# KiCad board 5wy19_converted.kicad_pcb (continued)
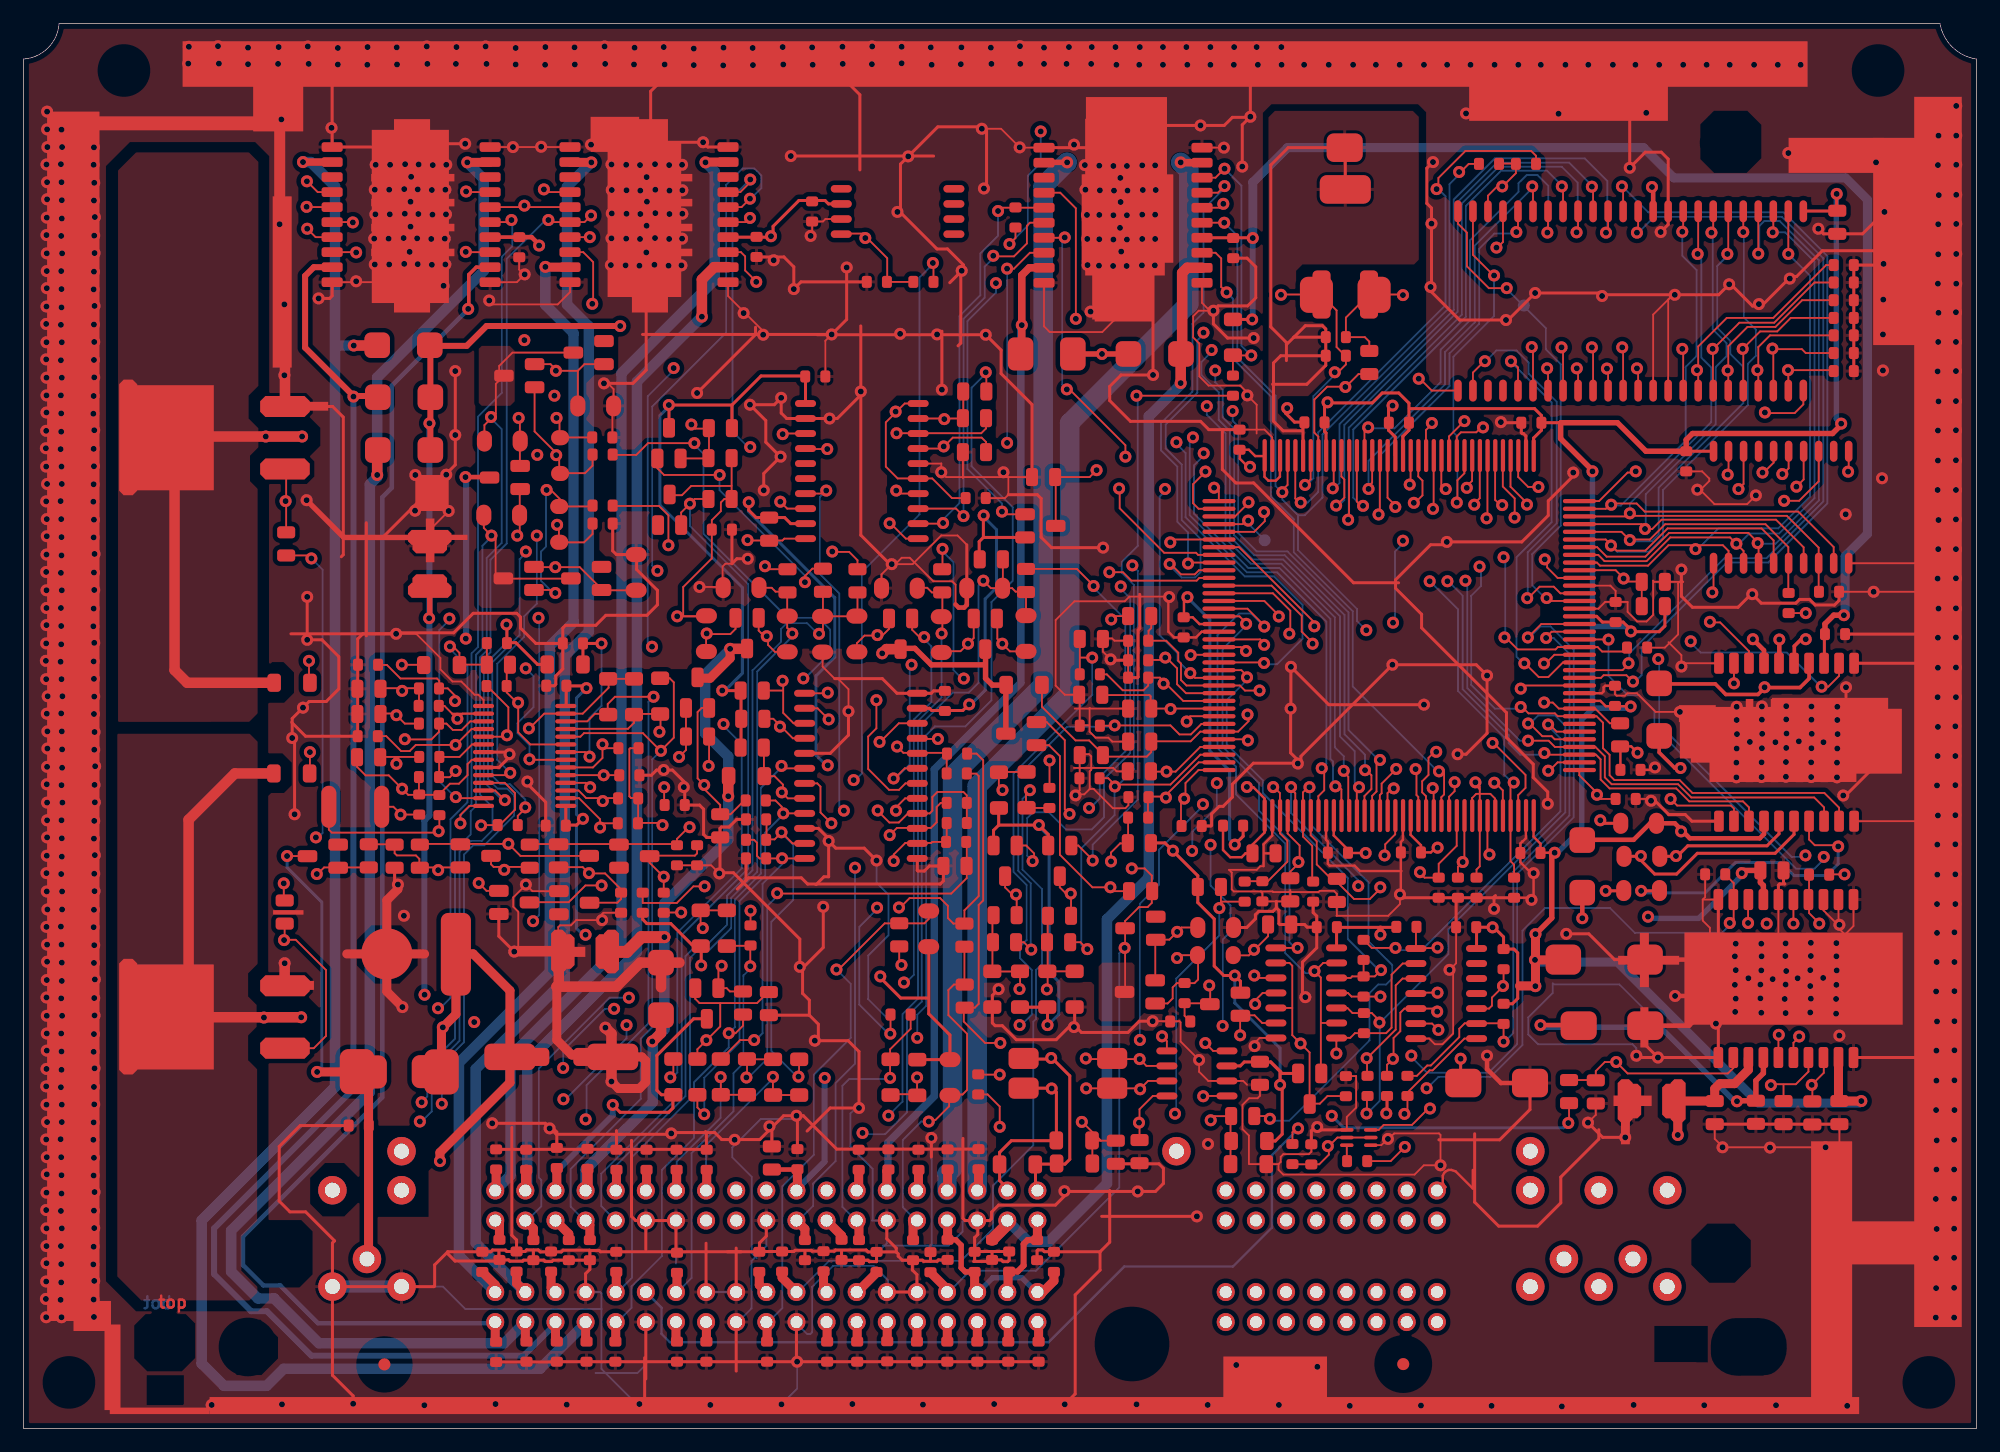
[diagram p0: board, top side]
## Routing (per net, layer and track width the routed paths; a pad name or vN(x,y) marks a point on that pad's centre or on a via; arc(x,y) is an arc through that point) (continued)
  TopLayer w0.254: v1(68.07,49.68) 68.07,49.88 67.2,50.75 IC9.10 ; v1(68.07,49.68) 68.07,46.66 67.67,46.66 67.01,46 ; v1(68.07,49.68) 68.68,49.08 71.08,49.08 v1(72.12,48.03) ; U17.4 109.68,25.25 109.32,25.6 108.89,25.17 R154.1 ; 101.41,84.48 100.22,84.48 99.52,85.18 93.6,85.18 91.84,86.93 91.84,88.14 92.8,89.1 v1(95.5,89.1) 95.5,97.71 94.11,99.11 ; 101.41,84.48 101.37,84.44 101.37,81.11 102.51,79.97 104.01,79.97 112.46,71.53 116.27,71.53 ; 101.41,84.48 C14.1 ; v1(138.2,31.37) 137.13,32.44 C75.2 ; 105.61,88.32 108.51,88.32 110.11,89.92 C143.1 ; 70.72,106.45 70.72,112.8 67.79,115.72 ; 45.06,5.61 C142.2 ; v1(37.34,108.66) 33.6,108.66 32.38,109.88 ; v1(69.75,60.66) 69.75,58.64 68.21,57.1 IC9.5 ; v1(76.76,24.57) 76.76,22.96 ; v1(31.65,46) 31.37,46.28 C53.2 ; IC9.13 75.57,47.2 75.63,47.14 76.16,47.14 76.59,47.57 C60.1 77.77,46.3 77.51,46.04 66.29,46.04 65.76,46.57 61.3,46.57 61.09,46.36 ; 51.54,109.56 52.31,108.79 v1(57.45,108.79) 57.86,108.38 IC10.20 ; R114.2 103.43,42.37 104.16,43.1 104.16,43.45 104.44,43.73 105.64,43.73 105.93,44.02 ; 47.88,15.05 48.66,15.05 48.78,14.94 C122.1 60.67,14.94 ; 47.88,15.05 47.86,15.07 45.61,15.07 45.46,14.93 43.69,14.93 43.52,15.09 42.53,15.09 42.4,14.96 40.86,14.96 40.73,15.08 39.64,15.08 39.49,14.94 35.86,14.94 ; 47.88,15.05 C111.2 ; C71.2 109.35,43.33 109.04,43.63 C69.2 ; C71.2 109.35,40.65 108.14,39.44 108.14,36.72 v1(108.38,36.47) ; C71.2 108.54,42.39 108.31,42.62 R113.2 106.22,42.62 106.15,42.7 106.15,43.81 105.93,44.02 ; IC6.1 91.16,108.33 92.79,109.96 ; v1(153.87,53.53) 154.07,53.53 157.88,57.34 ; 26.3,15.86 23.84,18.32 ; 79.01,91.57 79.25,91.8 79.25,97.84 ; 73.79,14.93 73.95,14.76 73.95,14.57 74.3,14.22 C108.2 ; 73.79,14.93 C124.1 ; 73.79,14.93 73.79,15.24 72.99,16.04 72.99,17.58 ; 67.11,92.51 v1(81.36,92.51) 82.65,91.21 82.65,89.22 85.27,86.61 R23.2 ; 80.63,17.58 80.69,17.52 80.69,16.41 80.42,16.14 C120.1 ; 80.63,17.58 81.69,17.58 81.85,17.74 81.85,18.29 82.44,18.88 87.25,18.88 88.01,19.65 v1(88.01,20.07) 88.04,20.04 v1(94.21,20.04) 95.71,20.04 96.38,20.71 96.38,22 96,22.38 C88.1 ; 80.63,17.58 79.61,17.58 79.43,17.76 79.43,24.52 ; v1(130.45,41.83) 132.35,41.83 134.53,39.65 C73.2 ; 52.33,92.53 v1(68.33,92.53) 69.6,93.8 v1(69.6,98.2) ; v1(116.38,45.16) 116.66,44.88 C64.2 C63.2 ; v1(161.75,31.95) 161.16,31.37 IC7.10 ; v1(88.04,2.03) 88.92,2.91 88.92,11.28 91.02,13.39 91.02,14.94 ; 58.88,47 v1(58.83,46.94) ; 58.88,47 58.88,50.75 59,50.87 59.66,50.87 60.3,51.51 C48.1 ; 58.88,47 60.02,47 65.63,41.39 v1(65.63,39.04) ; v1(135.43,24.61) 133.53,24.61 v1(132.28,25.86) ; 66.44,34.95 67.2,34.19 67.2,32.83 ; 66.44,34.95 66.44,36.22 65.87,36.79 65.87,38.93 67.61,40.67 v1(67.61,44.12) ; 66.44,34.95 C74.2 ; v1(99.21,17.93) 91.16,17.93 ; 156.74,57.66 156.74,58.95 154.1,61.59 v1(154.1,62.69) ; C108.2 76.01,14.22 76.1,14.13 77.24,14.13 77.35,14.25 C104.2 ; C108.2 75.15,14.16 75.15,13.39 75.54,13 75.54,11.53 72.99,11.53 ; 88.87,34.06 89.45,33.49 93.39,33.49 94.34,34.44 v1(95.47,34.44) ; 88.87,34.06 88.5,34.06 87.31,32.87 83.95,32.87 82.76,34.06 82.15,34.06 81.92,34.29 R126.1 81.92,36.62 v1(82.44,37.15) ; 88.87,34.06 R123.1 ; 52.61,8.99 52.61,4.19 ; 108.01,56.26 108.01,56.86 v1(115.75,64.59) 122.83,64.59 v1(123.75,63.68) 123.75,58.79 121.98,57.02 v1(121.26,57.02) ; 108.01,56.26 103.99,56.26 102.21,54.49 102.21,53.4 101.43,52.61 101.1,52.61 100.46,51.97 100.46,51.01 100.39,50.95 C51.1 ; 108.01,56.26 107.14,57.14 v1(107.14,60.88) 107.16,60.91 v1(107.16,64.41) 110.36,61.21 v1(118.41,61.21) ; v1(52.07,2.06) 52.51,2.5 52.51,5.97 ; Q3.3 26.13,86.44 27.03,85.54 27.03,73.9 26.86,73.73 ; 40.18,14.25 40.09,14.15 36.48,14.15 35.86,14.77 35.86,14.94 ; 40.18,14.25 41.01,14.25 41.11,14.14 42.18,14.14 42.26,14.22 C113.2 ; 40.18,14.25 40.18,15.05 ; v1(136.37,31.52) 136.52,31.37 IC7.1 143.31,34.04 v1(143.1,34.24) ; 35.86,14.94 34.75,13.82 34.75,12.05 34.7,11.99 J1.a2 ; C143.1 110.11,92.99 109.83,93.27 108.38,93.27 107.42,92.3 ; C143.1 107.42,92.3 ; C78.2 127.38,26.97 124.82,24.41 119.67,24.41 ; v1(140.18,72.64) 140.18,70.38 141.12,69.45 144.97,69.45 146.08,70.56 v1(146.18,70.56) 146.94,69.8 149.86,69.8 150.18,70.12 151.02,70.12 151.5,69.64 153.13,69.64 153.52,70.03 R41.1 ; 69.19,14.22 C109.2 71.4,14.22 71.52,14.1 72.1,14.1 72.12,14.12 C124.1 ; v1(151.76,101.47) 152.2,101.04 C3.2 155.5,101.04 v1(157.35,102.9) 157.35,99.76 157.5,99.61 152.1,99.61 149.92,97.43 149.46,97.43 146.96,94.94 146.2,94.94 144.46,96.67 144.12,96.67 143.33,95.89 133.38,95.89 133.22,96.04 v1(127.81,96.04) 125.53,93.75 v1(125.35,93.75) 121.43,93.75 119.05,96.13 v1(119.05,101.9) 119.05,103.22 118.66,103.61 118.66,106.59 v1(119.18,107.11) ; 49.4,88.39 51.51,88.39 52.64,89.52 52.64,95.99 ; v1(161.87,64.34) 161.49,64.72 IC4.11 ; C25.2 91.99,64.97 v1(91.91,65.05) ; 135.81,113.17 v1(135.81,106.63) 137.13,107.95 138.48,107.95 139.06,107.37 IC2.32 139.06,101.83 v1(138.43,101.19) ; C59.1 61.09,46.36 ; 61.09,46.36 60.34,45.62 ; v1(66.9,32.79) 69.72,32.79 70.64,31.87 v1(70.64,27.1) 68.2,27.1 66.25,25.15 ; C27.1 94.19,63.5 94.24,63.56 94.24,67.52 94.38,67.66 94.38,70.54 ; R13.2 R3.2 160.99,98.4 v1(161.9,99.31) ; 60.25,15.25 60.25,11.53 ; v1(56.95,87.58) 56.95,87.58 61.89,92.52 61.89,93.14 ; 57.71,15.66 57.71,11.53 ; v1(41.48,40.33) 40.18,41.63 Q21.2 ; IC7.20 143.31,38.96 142.47,38.13 ; C87.2 23.39,25.61 21.61,23.84 21.61,19.22 22.52,18.31 23.83,18.31 ; C125.1 76.68,14.13 ; C50.1 44.15,52.97 42.6,54.52 v1(42.6,54.71) ; C120.1 80.42,14.19 80.35,14.12 81.44,14.12 81.56,14.25 82.67,14.25 82.82,14.1 83.21,14.1 83.34,14.22 C115.1 80.44,14.96 C120.1 ; U11.23 40.19,55.9 41.08,56.79 v1(41.08,57.03) 40.9,57.2 U11.21 ; C61.2 148.82,46.15 148.92,46.05 148.49,46.05 148.39,45.95 IC7.16 ; 53.02,104.25 53.02,113.1 55.09,115.17 ; 93,106.94 93,109.71 93.51,110.21 101.53,110.21 102.21,110.9 103.38,110.9 ; 111.76,104.8 111.76,108.28 111.71,108.33 106.93,108.33 105.46,106.86 105.46,93.17 106.78,91.85 106.78,91.67 ; 65.43,26.37 C93.2 ; C40.2 53.08,55.25 53.52,55.68 54.86,55.68 55.91,54.64 C46.2 55.92,52.72 57.16,52.72 57.5,52.38 57.5,50.24 57.75,49.99 C47.1 ; 108.13,84.38 106.5,84.38 105.69,85.19 105.69,90.12 106.3,90.73 C144.1 ; 22.6,67.21 v1(31.5,67.21) 28.68,67.21 28.24,66.77 C35.2 23.83,58.55 22.67,59.71 ; 32.99,108.38 IC8.1 26.09,116.43 26.31,116.66 ; 120.54,74.74 118.98,74.74 116.01,71.78 116.01,71.06 118.21,68.86 118.21,67.72 125.39,60.54 125.39,58.44 127.65,56.18 127.65,55.06 128.88,53.83 v1(128.88,52.83) ; 70.82,87.44 68.8,85.42 IC5.2 64.53,85.42 64.06,85.89 v1(64.06,87.17) 63.47,86.59 v1(61.42,86.59) 62.76,85.25 62.76,83.42 63.98,82.19 v1(64.01,82.19) 62.59,80.77 v1(62.59,79.35) ; v1(39.62,25.81) 44.11,25.81 45.04,24.87 54.57,24.87 54.71,25.02 58.44,25.02 59.03,24.43 62.25,24.43 64.26,26.44 v1(65.35,26.44) 65.93,26.44 68.75,23.62 C92.2 ; C90.2 45.08,25.06 44.51,25.64 ; 105.93,44.02 105.93,44.58 ; 81.89,14.96 C103.2 ; 70.79,93.25 v1(70.79,87.71) 70.79,75.56 73.25,73.1 v1(73.41,73.1) ; 106.71,86.36 106.71,85.88 107.47,85.12 108.18,85.12 108.18,85.11 108.18,82.29 ; IC8.10 26.09,95.79 25.87,95.58 v1(24.94,95.58) ; C124.1 71.4,14.93 71.25,15.08 68.64,15.08 68.54,14.99 66.68,14.99 66.6,15.06 65.23,15.06 65.13,14.96 C116.1 62.23,14.96 62.23,15.69 62.8,16.26 62.8,17.58 ; C121.1 59.5,14.94 ; 107.42,92.3 106.78,91.67 ; C111.2 C112.2 44.77,14.22 44.66,14.11 44.11,14.11 44,14.22 C113.2 ; C111.2 47.88,13.45 47.52,13.09 47.52,11.53 ; C113.2 43.1,15.07 ; 122.7,24.92 122.7,19.14 124.73,17.11 128.01,17.11 129.98,19.07 129.98,21.25 133.2,24.47 133.2,25.25 ; v1(137.62,53.09) 137.95,53.09 139.12,51.92 140.51,51.92 141.07,51.36 IC4.1 ; v1(161.87,66.88) 161.57,67.18 C21.2 ; v1(104.01,92.23) 101.8,92.23 100.61,93.42 v1(100.61,94.54) 101.02,94.95 103.51,94.95 104.19,95.63 104.19,98.25 103.45,98.98 C6.1 ; 106.78,91.67 106.78,90.32 ; 91.84,20.12 91.84,15.75 91.02,14.94 ; 65.35,8.99 65.35,5.7 ; C17.2 59.89,73.14 60.31,73.56 v1(61.23,73.56) ; C28.1 44.87,62.81 45,62.94 45,63.64 45.59,64.24 C23.1 ; C23.1 45.59,67.7 45.82,67.93 48.39,67.93 49.23,68.77 52.7,68.77 53.59,69.66 53.59,70.89 51.84,72.65 51.84,73.87 R30.2 50.12,73.91 49.81,74.23 R28.2 ; C23.1 43.31,66.4 42.01,67.69 42.01,68.63 41.7,68.94 38.01,68.94 36.36,67.29 31.16,67.29 ; C118.1 41.68,15.94 41.28,16.33 41.28,25.46 ; 91.02,14.94 C119.1 87.11,14.95 86.32,14.95 86.17,15.09 85.77,15.09 85.7,15.03 C107.2 ; C70.2 121.13,44.73 C65.2 ; v1(91.28,74.5) 86.92,74.5 86.04,75.38 86.04,78.66 85.72,78.98 83.27,78.98 ; v1(63.07,25.55) 63.27,25.35 C89.2 ; C128.2 65.36,5.64 ; 57.73,23.6 57.73,25.03 57.66,25.11 ; 57.73,23.6 C96.2 ; 57.73,23.6 C98.2 ; C140.2 C139.2 C138.2 C137.2 C136.2 C135.2 v1(65.4,5.64) ; v1(27.86,2.08) 27.86,2.74 26.11,4.5 J1.a1 26.11,15.68 26.29,15.86 ; 77.65,92.81 v1(77.65,87.86) ; C83.2 C85.2 ; v1(102.34,115.34) 103.73,113.94 v1(103.73,110.95) 103.05,110.26 v1(103.05,106.73) ; 60.25,8.99 60.25,4.85 ; 66.07,14.95 C110.2 ; 31.99,11.99 26.15,11.99 ; C4.2 64.29,99.09 65.13,98.25 v1(65.13,96.37) 65.74,96.98 C8.1 ; 79.25,97.84 78.31,96.91 ; 79.25,97.84 79.25,97.48 ; 124.46,45.07 124.34,44.95 v1(124.34,43.95) ; v1(23.98,70.33) 23.98,67.08 24.36,66.7 25.23,66.7 26.65,65.28 26.65,62.54 25.59,61.48 24.14,61.48 22.71,60.05 v1(22.71,58.39) 22.91,58.19 v1(22.91,51.94) ; 51.4,24.36 51.4,17.93 51.76,17.58 55.16,17.58 55.16,14.94 ; 30.27,75.27 36.5,81.51 v1(36.5,89.43) ; v1(131.04,80.85) 131.04,80.56 128.92,78.45 128.92,77.22 126.69,74.98 v1(120.35,74.98) ; 52.61,17.58 52.61,15.11 ; 79.76,74.74 R39.2 ; 81.43,105.01 81.43,109.9 81.24,110.09 77.3,110.09 74.14,106.94 74.14,102.85 77.24,99.76 78.12,99.76 79.48,98.41 79.48,97.64 ; C31.2 76.95,62.38 76.75,62.18 IC9.24 73.85,62.18 72.61,63.42 68.58,63.42 ; 69.16,15.02 C105.2 ; 76.94,107.62 v1(64.87,107.62) ; v1(124.92,85.12) 124.97,85.06 C12.2 126.64,84.23 126.72,84.15 126.82,84.15 127.03,83.94 127.03,82.29 ; 115.62,86.56 115.42,86.36 115.42,84.43 115.98,83.87 115.98,82.29 ; 28.98,76.61 28.98,67.04 ; 50.13,25.18 C101.2
  TopLayer w0.381: v1(139.65,36.58) 140.88,36.58 141.84,37.53 141.84,38.99 141.18,39.65 C73.2 ; C78.2 124.93,29.21 123.75,30.39 v1(123.75,31.52) ; 78.8,69.69 79.07,69.43 79.53,69.43 79.76,69.65 R39.2 ; 142.2,36.81 142.2,35.41 140.84,34.06 C75.2
  TopLayer w0.457: v1(23.93,78.51) 27.08,75.36 C18.2
  TopLayer w0.762: v1(31.65,46) 31.65,45.61 30.71,44.67 30.71,40.13 ; 30.71,40.13 27.33,40.13 ; 30.71,40.13 33.9,40.13 ; 30.71,40.13 30.71,36.96 v1(32.03,35.64) ; 47.83,31.58 46.35,31.58 45.08,32.85 45.08,37.34 45.06,37.36 ; v1(49.71,29.34) 50.3,28.75 52.07,28.75 52.6,29.28 52.6,31.1 52.27,31.42 C76.2
  TopLayer w0.889: v1(49.71,29.34) 49.71,33.38 v1(49.19,33.9) ; 45.25,40.69 45.25,37.55 45.06,37.36 50.12,37.36 52.15,39.4 D12.2 ; D12.2 53.9,37.31 ; D12.2 55.46,39.4 ; Q24.3 22.07,37.47 v1(22.07,39.34) ; 45.21,40.36 41.52,40.36 v1(41.48,40.33) ; 22.1,90.45 Q3.3
  MidLayer1 w0.152: v1(153.87,53.53) 152.55,53.53 145.14,60.94 139.8,60.94 ; v1(136.37,31.52) 138.05,31.52 139.44,32.92 139.44,36.37 v1(139.65,36.58) 140.77,36.58 v1(143.1,34.24) 143.1,34.9 146.6,38.4 152.95,38.4 153.54,37.8 v1(153.54,33.22) 157.43,37.11 161.99,37.11 ; 11.7,108.95 11.75,108.91 22.37,108.91 ; v1(99.21,17.93) 90.14,17.93 v1(88.01,20.07) 88.01,21.51 86.68,22.84 73.64,22.84 73.17,23.31 ; v1(43.43,82.35) 38.18,82.35 v1(36.5,84.02) ; v1(146.18,70.56) 156.66,70.56 156.74,70.64 156.74,74.66 v1(154.08,77.32) 154.4,77.32 157.63,80.54 158.79,79.38 v1(161.85,79.38) ; 117.11,93.03 117.62,93.54 125.47,93.54 127.72,95.78 v1(133.48,95.78) ; v1(76.76,24.57) 74.98,24.57 73.04,22.63 66.74,22.63 63.65,25.72 ; v1(49.71,29.34) 49.71,33.38 49.1,33.99 38.48,33.99 v1(38.1,34.37) 38.1,36.94 v1(41.48,40.33) 43.47,40.33 45.2,42.05 45.2,44.65 43.85,46 v1(42.47,46) ; 51.81,1.99 52.61,2.79 52.61,8.99 ; 28.81,37.4 28.81,40.01 v1(32.16,43.36) ; v1(72.12,48.03) 72.12,46.73 69.51,44.12 v1(67.61,44.12) 65.63,42.14 65.63,34.06 v1(66.9,32.79) 68.09,32.79 69.85,31.03 69.85,28.54 66.86,25.55 v1(63.07,25.55) 61.93,24.41 v1(60.12,24.41) 59.58,24.95 v1(54.76,24.95) 52.4,24.95 50.9,23.46 46.39,23.46 44.04,25.81 v1(39.62,25.81) ; v1(139.62,95.89) 143.33,95.89 v1(144.22,96.77) 148.87,96.77 v1(149.35,97.26) 149.96,97.26 151.76,99.07 v1(151.76,101.47) 149.23,104.01 v1(149.23,107.87) 155.85,107.87 v1(156.64,107.09) 161.82,107.09 162.16,106.75 ; 62.8,17.58 62.8,14.12 ; v1(57.15,71.17) 58.95,69.37 69.87,69.37 73.41,72.9 v1(73.41,73.1) ; 91.92,62.34 85.41,62.34 78.38,55.31 78.38,37.28 79.99,35.67 ; 69.75,70.84 v1(69.75,60.66) ; v1(41.08,57.03) 41.23,57.03 42.08,57.87 44.19,57.87 45.38,56.69 45.38,55.29 44.8,54.71 v1(42.6,54.71) ; v1(63.42,98.81) 63.42,98.07 65.88,95.61 74.78,95.61 ; v1(109.39,25.49) 109.39,25.11 107.14,22.86 102.4,22.86 ; 51.35,54 53.04,55.69 54.4,55.69 55.83,54.26 v1(55.83,54.24) ; 51.35,54 51.35,59.1 50.25,60.2 47.43,60.2 44.43,57.2 ; 51.35,54 51.35,44.81 49.53,42.99 v1(48.91,42.99) 46.56,42.99 44.56,44.99 ; 57.71,11.53 60.25,11.53 60.25,15.57 ; v1(93.27,98.32) 93.27,110.06 92.94,110.39 ; 145.82,70.38 145.82,68.18 140.18,62.55 139.55,62.55 ; 5.65,15.48 9.97,11.16 20.3,11.16 22.54,8.91 26.73,8.91 ; 120.8,62.08 120.8,65.81 116.22,70.38 116.22,71.78 119.4,74.95 120.75,74.95 116.56,70.76 105.22,70.76 98.95,77.03 94.42,77.03 92.81,75.42 ; 21.23,95.19 26.18,95.19 29.44,98.45 v1(29.69,98.45) ; v1(130.45,41.83) 130.38,41.83 ; 130.38,41.83 130.38,41.83 138.75,33.47 140.1,33.47 ; 130.38,41.83 127.69,44.53 127.69,51.64 v1(128.88,52.83) ; v1(66.55,100.86) 66.93,100.86 v1(69.6,98.2) 69.6,86.41 68.26,85.07 ; v1(39.62,25.81) 37.57,23.75 37.57,14.23 35.33,11.99 J1.a2 31.95,6.69 28.3,3.03 25.72,3.03 ; v1(39.62,25.81) 39.62,35.56 37.44,37.74 37.44,38.07 31.65,43.87 31.65,47.6 27.31,51.94 v1(22.91,51.94) 6.53,51.94 v1(5.97,51.38) ; 162.33,64.71 160.3,62.69 v1(154.1,62.69) ; v1(39.37,95.4) 39.28,95.4 ; 39.28,95.4 38.14,96.54 33.84,96.54 32.18,98.21 v1(32.18,98.5) ; 39.28,95.4 44.87,95.4 47.88,98.41 49.93,98.41 ; 17.38,50.53 17.38,53.03 23.85,59.5 23.85,61.11 ; v1(120.35,74.98) 128.27,74.98 131.04,77.75 v1(131.04,80.85) 131.04,82.91 134.05,85.92 136.76,85.92 141.53,81.15 v1(141.53,79.4) 140.18,78.05 v1(140.18,72.64) ; v1(64.08,2.03) 65.35,3.3 65.35,8.99 ; v1(62.59,79.35) 64.11,80.87 v1(82.85,80.87) 84.43,79.3 84.43,78.28 88.21,74.5 v1(91.28,74.5) 92.37,75.59 94.38,75.59 95.12,74.85 95.12,72.31 96.8,70.63 96.8,69.35 92.5,65.05 v1(91.91,65.05) 91.91,63.73 88.95,60.76 v1(88.95,53.54) ; 64.47,25.55 66.02,27.1 v1(70.64,27.1) ; 75.54,11.53 72.99,11.53 72.99,17.58 ; 151.19,113.18 151.19,106.11 ; v1(108.38,36.47) 104.43,32.53 104.43,32.3 103.29,31.16 ; 103.29,31.16 v1(99.4,31.16) ; 103.29,31.16 103.25,31.12 103.25,21.89 ; v1(33.1,77.62) 32.21,78.51 v1(23.93,78.51) ; v1(33.1,77.62) 35.92,77.62 v1(35.94,77.6) ; v1(33.1,77.62) 23.98,68.5 v1(23.98,66.7) ; v1(33.1,77.62) 33.1,80.62 ; 93.75,16.96 94.72,16.96 101.37,23.6 101.87,23.6 ; v1(76.71,116.81) 76.71,109.27 74.78,107.34 ; 50.9,75.5 50.14,74.74 50.14,59.67 ; 51.09,48.62 57.11,48.62 58.79,46.94 v1(58.83,46.94) 59.51,46.25 68.22,46.25 ; v1(103.48,87.38) 104.56,86.3 v1(106.85,86.3) 108.41,84.73 111.1,84.73 112.54,86.17 115.42,86.17 116.37,87.13 123.46,87.13 124.92,85.67 v1(124.92,85.12) 125.47,84.56 134.94,84.56 ; v1(103.48,87.38) 104.24,87.38 106.51,89.64 106.51,91.87 106.15,92.23 v1(104.01,92.23) 102.74,92.23 100.61,94.36 v1(100.61,94.54) 100.53,94.46 v1(90.22,94.46) ; v1(103.48,87.38) 102.62,87.38 102.23,87.76 99.46,87.76 98.13,86.43 96.31,86.43 95.5,87.23 95.5,89.18 v1(90.22,94.46) ; v1(146.48,78.92) 146.48,78.37 144.71,76.61 139.08,76.61 ; 121.94,44.81 121.94,39.61 121.12,38.79 v1(120.57,38.79) ; 121.49,39.82 121.49,33.13 123.1,31.52 v1(123.75,31.52) ; v1(146.74,95.1) 142.39,95.1 140.31,97.18 134.68,97.18 133.2,95.7 ; 120.56,86.79 120.56,94.96 v1(118.97,96.55) 118.97,101.83 v1(119.05,101.9) 117.89,101.9 115.08,104.71 116.27,104.71 118.66,107.11 v1(119.18,107.11) 121.97,109.91 v1(121.97,111.23) 122.35,111.61 v1(122.35,115.34) ; v1(94.21,20.04) 94.21,11.8 100.8,5.21 v1(109.4,5.21) ; 55.16,13.85 55.16,17.58 52.61,17.58 ; v1(61.23,73.56) 59.88,73.56 56.41,70.09 53.11,70.09 49.68,73.51 49.68,87.36 48.66,88.37 ; v1(68.07,49.68) 68.07,44.79 67.33,44.05 ; 48.74,88.71 53.53,88.71 54.66,87.58 v1(56.95,87.58) 57.94,86.59 v1(61.42,86.59) 62,87.17 76.96,87.17 79.32,89.54 79.32,102.23 81.03,103.93 v1(81.03,109.93) ; J1.a1 26.11,3.82 28.13,1.8 ; v1(51.61,115.37) 53.55,113.43 53.55,92.65 48.26,87.36 35.6,87.36 ; 124.37,44.22 124.94,44.22 v1(127.69,46.96) ; 47.52,11.53 47.52,14.84 47.64,14.97 95.35,14.97 ; v1(95.47,34.44) 89.31,34.44 v1(88.81,33.94) ; v1(23.98,70.33) 27.1,67.21 v1(31.5,67.21) ; v1(88.82,108.59) 94.78,108.59 97.14,110.95 v1(103.73,110.95) 106.38,113.59 v1(106.38,115.34) ; 146.79,69.54 146.75,69.54 143.36,72.92 143.36,77.03 ; 64.45,80.37 64.01,80.82 v1(64.01,82.19) 64.71,82.19 74.1,91.59 74.1,94.26 ; v1(90.93,98.35) 90.93,95.17 v1(90.22,94.46) ; v1(138.43,101.19) 138.43,95.34 ; 148.36,114.92 151.41,111.86 v1(163.42,111.86) ; 157.23,108.46 v1(157.23,89.48) ; v1(137.62,53.09) 137.62,55.58 140.18,58.14 v1(140.18,64.44) ; 86,115.21 94.34,115.21 101.14,108.41 101.37,108.41 v1(103.05,106.73) 107.4,106.73 110.36,109.69 v1(110.36,115.34) 114.43,111.28 v1(137.21,111.28) 135.81,109.88 v1(135.81,106.63) ; 33.1,80.62 32.39,80.62 27.56,85.45 25.67,85.45 v1(22.05,89.08) 22.05,96.76 21.64,97.17 21.64,110.93 22.56,110.01 v1(26.03,110.01) 29.16,106.88 v1(29.77,106.88) 31.55,108.66 v1(37.34,108.66) 39.14,110.46 v1(39.14,115.42) ; 33.1,80.62 v1(33.12,80.65) 35.47,80.65 36.5,81.67 v1(36.5,89.43) 39.73,89.43 42.37,92.08 v1(42.37,97.61) 39.96,100.02 39.24,100.02 36.49,102.77 34.08,102.77 ; v1(121.26,57.02) 121.26,59.8 119.85,61.21 v1(118.41,61.21) 115.75,63.88 v1(115.75,64.59) 115.57,64.41 v1(107.16,64.41) 107.16,58.87 107.75,58.29 v1(107.75,56.24) ; v1(5.94,103.86) 9.75,103.86 13.92,108.03 v1(13.92,115.44) ; v1(100.15,24.05) 102.06,22.14 112.88,22.14 115.22,24.48 v1(115.37,24.48) 115.45,24.48 116.05,25.09 119.7,25.09 119.81,24.97 v1(119.81,22.25) 122.39,24.83 124.63,24.83 129.07,29.28 131.76,29.28 132.28,28.75 v1(132.28,25.86) 134.33,25.86 137.24,22.95 142.84,22.95 143.79,23.9 161.31,23.9 v1(161.77,24.36) ; 55.14,98.49 56.73,98.49 62.71,92.51 v1(81.36,92.51) ; v1(73.89,102.9) 73.89,91.38 ; 153.18,39.54 153.54,39.9 v1(153.54,42.6) ; v1(123.75,63.68) 114.18,63.68 114.15,63.65 ; 32.02,111.15 34.38,108.79 v1(57.45,108.79) ; v1(58.06,1.98) 60.25,4.17 60.25,8.99 ; v1(124.34,43.95) 117.6,43.95 v1(116.38,45.16) 116.13,45.16 114.17,43.2 113.64,43.2 111.46,41.02 111.46,38.08 109.2,35.82 107.88,35.82 ; 90.82,33.89 90.82,35.58 87.69,38.72 83.17,38.72 82.44,37.99 v1(82.44,37.15) 80.49,37.15 78.89,35.54 78.89,26.74 76.52,24.37 ; 32.11,35.39 32.11,36.64 29.41,39.34 v1(22.07,39.34) ; v1(64.87,107.62) 83.27,107.62 83.92,108.27 ; 80.63,17.58 80.63,14.64
  MidLayer2 w0.152: v1(94.21,20.04) 87.87,20.04 86.7,18.86 72.98,18.86 72.99,18.85 72.99,17.58 ; v1(135.43,24.61) 134.19,25.86 v1(132.28,25.86) ; v1(135.43,24.61) 135.43,18.41 140.99,12.85 140.99,10.52 135.83,5.36 v1(102.54,5.36) ; v1(135.43,24.61) 135.43,25.33 142.43,32.32 ; v1(136.37,31.52) 140.39,31.52 v1(143.1,34.24) ; 113.84,44.2 102.62,44.2 101.53,43.11 ; 92.72,31.01 91.43,32.3 84.86,32.3 83.75,31.2 82,31.2 79.25,33.95 74.96,33.95 74.25,33.24 74.25,32.75 73.99,32.49 71.82,32.49 71.52,32.79 v1(66.9,32.79) ; 62.8,17.58 62.8,15.79 64.98,13.61 66.06,13.61 66.57,13.11 66.57,9.02 66.54,8.99 65.35,8.99 ; 135.02,76.25 132.82,76.25 131.19,74.62 122.22,74.62 121.85,74.98 v1(120.35,74.98) ; v1(139.65,36.58) 139.65,33.18 141.37,31.46 144.02,31.46 144.73,32.17 v1(144.73,35.23) ; v1(143.66,23.77) 158.57,23.77 v1(161.72,26.92) ; v1(125.35,93.75) 125.53,93.75 v1(127.81,96.04) 133.22,96.04 133.38,95.89 143.33,95.89 v1(144.22,96.77) 145.06,96.77 v1(146.74,95.1) 147.19,95.1 151.76,99.67 v1(151.76,101.47) ; 80.63,18.85 80.63,17.58
  MidLayer2 w0.254: 75.54,13.64 75.54,11.53 72.99,11.53 ; 75.54,13.64 76.35,14.45 79.45,14.45 80.63,15.63 80.63,17.58 ; 75.54,13.64 75.11,13.64 72.99,15.76 72.99,17.58 ; 55.16,15.5 55.16,17.58 52.61,17.58 ; 55.16,15.5 54.85,15.19 48.46,15.19 47.52,14.25 47.52,11.53 ; 55.16,15.5 55.55,15.11 57.28,15.11 57.71,14.68 57.71,11.53 60.25,11.53 60.25,7.61 60.88,6.99 65.35,6.99 ; 53.85,15.29 53.85,9.09 53.75,8.99 52.61,8.99 ; v1(65.4,5.64) 65.35,5.7 65.35,8.99 ; J1.a1 J1.a2 31.95,3.89 29.67,3.89 v1(27.86,2.08)
  MidLayer2 w0.381: v1(82.85,80.87) v1(77.6,80.87)
  BottomLayer w0.152: 52.61,8.99 52.61,5.4 51.9,4.68 48.36,4.68 ; v1(65.4,5.64) 65.4,3.35 v1(64.08,2.03) ; 72.54,15.2 72.99,15.65 72.99,17.58 71.75,17.58 71.8,17.62 71.8,21.95 69.91,23.84 69.91,26.63 70.65,27.37 ; 60.25,8.99 60.4,8.99 61.55,10.14 61.55,14.16 62.8,15.41 62.8,17.58 ; 48.89,10.1 37.34,10.1 ; v1(136.37,31.52) 136.37,32.16 136.04,32.49 128.06,32.49 127.23,33.32 127.23,34.76 129.31,36.83 129.31,37.64 129.39,37.55 134.94,37.55 137.39,35.1 ; v1(72.12,48.03) 72.12,46.16 73.13,45.15 73.13,41.7 71.41,39.99 71.41,36.3 72.96,34.76 73.59,34.76 ; 73.11,11.22 73.11,12.51 71.88,13.74 68.45,13.74 66.67,11.96 66.67,8.13 66.52,7.98 66.25,7.98 65.35,8.88 65.35,8.99 ; 65.36,26.17 62.33,26.17 59.92,23.75 59.92,22.93 61.57,21.28 61.57,14.82 62,14.4 ; v1(52.07,2.06) 51.83,2.06 48.86,5.03 48.86,11.41 48.74,11.53 47.52,11.53 ; 72.66,15.45 78.21,15.45 79.39,16.64 79.39,17.47 79.51,17.58 80.63,17.58 ; 76.35,15.14 76.77,15.56 76.79,15.56 76.79,22.78 76.76,22.81 v1(76.76,24.57) ; 60.25,11.53 57.71,11.53 ; 35.45,11.99 J1.a2 ; 55.16,17.58 55.16,13.95 ; 37.34,10.1 35.45,11.99 ; 75.54,11.53 72.99,11.53
  BottomLayer w0.381: J1.a2 J1.a1
  vias: v1(1.93,106.91) v1(1.96,102.41) v1(1.93,100.94) v1(1.96,99.39) v1(1.96,97.89) v1(1.96,96.44) v1(1.93,94.89) v1(1.91,93.42) v1(1.93,91.87) v1(1.91,90.42) v1(1.93,88.87) v1(1.93,87.38) v1(1.93,85.93) v1(1.91,84.38) v1(1.88,82.91) v1(1.91,81.36) v1(1.91,78.41) v1(1.96,76.91) v1(1.96,75.46) v1(1.93,73.91) v1(1.91,72.44) v1(1.93,70.89) v1(1.93,69.39) v1(1.93,67.95) v1(1.91,66.4) v1(1.88,64.92) v1(1.91,63.37) v1(1.96,60.45) v1(1.96,54.48) v1(1.96,48.44) v1(1.93,46.96) v1(1.96,45.42) v1(1.93,42.42) v1(1.96,37.92) v1(1.93,36.45) v1(1.96,34.9) v1(1.96,33.4) v1(1.96,31.95) v1(1.93,30.4) v1(1.91,28.93) v1(1.93,27.38) v1(1.91,24.43) v1(1.96,22.94) v1(1.96,21.49) v1(1.93,19.94) v1(1.91,18.47) v1(1.93,16.92) v1(1.93,15.42) v1(1.93,13.97) v1(1.91,12.42) v1(1.88,10.95) v1(1.91,9.4) v1(1.98,111.38) v1(1.98,109.88) v1(2.01,108.38) v1(1.98,105.41) v1(1.98,103.96) v1(1.98,79.88) v1(2.03,61.93) v1(2.01,58.95) v1(2.01,57.51) v1(1.98,55.96) v1(1.98,52.93) v1(1.98,51.44) v1(1.98,49.99) v1(2.01,43.89) v1(1.98,40.92) v1(1.98,39.47) v1(1.98,25.91) v1(3.15,106.93) v1(3.17,100.86) v1(3.17,97.89) v1(3.15,93.34) v1(3.15,90.35) v1(3.15,87.38) v1(3.17,85.85) v1(3.17,84.3) v1(3.12,82.83) v1(3.12,78.44) v1(3.17,76.91) v1(3.15,72.36) v1(3.15,69.39) v1(3.17,67.87) v1(3.17,66.32) v1(3.12,64.85) v1(3.17,60.48) v1(3.17,46.89) v1(3.15,42.44) v1(3.17,36.37) v1(3.17,33.4) v1(3.15,28.85) v1(3.12,24.46) v1(3.17,22.94) v1(3.15,18.39) v1(3.15,15.42) v1(3.17,13.89) v1(3.17,12.34) v1(3.12,10.87) v1(3.2,109.86) v1(3.25,108.38) v1(3.2,105.41) v1(3.23,103.89) v1(3.23,102.34) v1(3.25,99.39) v1(3.2,96.37) v1(3.2,94.82) v1(3.23,91.87) v1(3.23,88.87) v1(3.2,81.36) v1(3.23,79.88) v1(3.2,75.39) v1(3.2,73.84) v1(3.23,70.89) v1(3.2,63.37) v1(3.23,58.95) v1(3.25,57.43) v1(3.25,55.88) v1(3.2,54.41) v1(3.2,51.44) v1(3.23,49.91) v1(3.23,48.36) v1(3.25,45.42) v1(3.25,43.89) v1(3.2,40.92) v1(3.23,39.4) v1(3.23,37.85) v1(3.25,34.9) v1(3.2,31.88) v1(3.2,30.33) v1(3.23,27.38) v1(3.23,25.91) v1(3.2,21.41) v1(3.2,19.86) v1(3.23,16.92) v1(3.2,9.4) v1(3.28,61.93) v1(3.28,52.93) v1(5.94,108.36) v1(5.92,106.88) v1(5.97,105.36) v1(5.97,100.89) v1(5.94,97.84) v1(5.92,96.34) v1(5.94,93.37) v1(5.97,91.9) v1(5.94,90.37) v1(5.97,88.9) v1(5.92,87.33) v1(5.89,85.83) v1(5.97,84.43) v1(5.92,82.85) v1(5.94,81.38) v1(5.92,79.86) v1(5.89,78.38) v1(5.94,76.86) v1(5.92,75.36) v1(5.94,72.39) v1(5.97,70.92) v1(5.92,69.34) v1(5.89,67.84) v1(5.97,66.45) v1(5.92,64.87) v1(5.94,63.4) v1(5.97,61.9) v1(5.94,60.43) v1(5.97,57.4) v1(5.94,49.89) v1(5.97,46.91) v1(5.94,43.87) v1(5.92,42.39) v1(5.97,40.87) v1(5.94,39.37) v1(5.97,36.4) v1(5.94,33.35) v1(5.92,31.85) v1(5.94,28.88) v1(5.97,27.41) v1(5.92,25.88) v1(5.89,24.41) v1(5.94,22.89) v1(5.92,21.39) v1(5.94,18.42) v1(5.97,16.94) v1(5.92,15.37) v1(5.89,13.87) v1(5.97,12.47) v1(5.92,10.9) v1(5.94,9.42) v1(6.02,102.46) v1(5.99,99.42) v1(5.99,94.95) v1(5.99,73.96) v1(5.99,58.9) v1(6.05,56.01) v1(5.99,54.43) v1(6.02,52.96) v1(6.02,48.49) v1(5.99,45.44) v1(6.02,37.97) v1(5.99,34.93) v1(5.99,30.45) v1(5.99,19.99) v1(13.97,116.87) v1(15.9,1.98) v1(16.43,116.92) v1(16.51,115.44) v1(18.97,116.79) v1(18.97,115.39) v1(21.56,116.84) v1(21.51,115.42) v1(21.64,101.85) v1(21.79,110.72) v1(21.84,2.03) v1(22.05,95.07) v1(23.62,60.96) v1(24.03,116.89) v1(24.1,115.42) v1(26.57,116.76) v1(26.57,115.37) v1(28.12,97.03) v1(29.06,115.34) v1(29.08,116.84) v1(29.64,100.63) v1(29.69,104.78) v1(29.74,102.69) v1(30.86,100.63) v1(30.91,104.78) v1(30.96,102.69) v1(30.91,98.45) v1(30.99,106.88) v1(31.55,116.81) v1(31.57,115.37) v1(32.13,100.69) v1(32.26,106.93) v1(32.18,104.83) v1(32.23,102.74) v1(32.64,99.52) v1(32.77,105.87) v1(32.72,103.76) v1(32.72,101.65) v1(33.27,100.66) v1(33.32,104.8) v1(33.32,98.48) v1(33.4,106.91) v1(33.38,102.72) v1(33.88,1.96) v1(34.09,116.89) v1(34.14,115.42) v1(34.47,100.61) v1(34.52,104.75) v1(34.57,102.67) v1(34.52,98.43) v1(34.59,106.86) v1(35.66,104.78) v1(35.61,100.63) v1(35.66,98.45) v1(35.74,106.88) v1(35.71,102.69) v1(35.74,80.67) v1(36.55,115.42) v1(36.6,116.84) v1(39.07,116.89) v1(39.9,2.06) v1(41.38,108.38) v1(41.61,116.76) v1(41.61,115.37) v1(42.34,92.05) v1(44.12,116.84) v1(44.09,115.34) v1(44.48,25.37) v1(44.88,87.35) v1(45.92,2.01) v1(46.58,116.81) v1(46.61,115.37) v1(47.98,108.59) v1(49.12,116.89) v1(49.17,115.42) v1(49.66,98.4) v1(49.71,106.91) v1(49.73,104.75) v1(49.73,102.77) v1(49.71,100.66) v1(50.95,106.88) v1(50.95,100.63) v1(50.9,98.37) v1(50.98,104.72) v1(50.98,102.74) v1(51.66,116.79) v1(52.07,98.35) v1(52.12,106.86) v1(52.15,104.7) v1(52.15,102.72) v1(52.12,100.61) v1(52.65,99.47) v1(52.68,105.84) v1(52.7,103.76) v1(52.68,101.73) v1(53.34,98.43) v1(53.39,106.93) v1(53.42,104.78) v1(53.42,102.79) v1(53.39,100.69) v1(54.13,116.84) v1(54.12,55.69) v1(54.2,115.37) v1(54.53,98.35) v1(54.58,106.86) v1(54.61,104.7) v1(54.61,102.72) v1(54.58,100.61) v1(55.63,98.37) v1(55.68,106.88) v1(55.7,104.72) v1(55.7,102.74) v1(55.68,100.63) v1(56.67,116.71) v1(56.67,115.32) v1(59.16,115.29) v1(59.18,116.79) v1(60.88,94.34) v1(61.65,116.76) v1(61.67,115.32) v1(64.19,116.84) v1(64.24,115.37) v1(66.67,116.81) v1(66.73,115.34) v1(69.24,116.87) v1(69.27,115.42) v1(70.08,2.06) v1(71.76,116.89) v1(71.73,115.39) v1(74.12,92.58) v1(74.24,116.87) v1(74.24,115.47) v1(74.8,107.59) v1(76.05,2.01) v1(76.78,115.34) v1(77.24,92.53) v1(79.25,115.39) v1(79.3,116.81) v1(79.32,97.92) v1(81.2,104.88) v1(81.79,116.79) v1(81.84,115.42) v1(82.07,2.06) v1(84.25,116.92) v1(84.23,108.36) v1(84.28,115.42) v1(86.28,116.79) v1(86.28,115.42) v1(88.19,115.42) v1(88.39,116.84) v1(89.74,106.86) v1(89.79,104.78) v1(89.92,102.64) v1(89.94,100.61) v1(89.97,98.4) v1(90.27,115.42) v1(90.32,116.84) v1(90.96,106.81) v1(90.96,102.64) v1(90.96,100.58) v1(91.01,104.72) v1(92.15,106.78) v1(92.15,102.62) v1(92.15,100.56) v1(92.13,98.32) v1(92.2,104.7) v1(92.33,116.84) v1(92.41,115.34) v1(92.74,105.77) v1(92.76,103.73) v1(92.71,101.55) v1(92.81,99.54) v1(93.29,106.78) v1(93.35,104.7) v1(93.29,102.62) v1(93.29,100.56) v1(94.11,2.03) v1(94.34,115.34) v1(94.39,116.84) v1(94.56,98.37) v1(94.59,106.83) v1(94.64,104.75) v1(94.59,102.67) v1(94.59,100.61) v1(95.66,98.37) v1(95.68,106.83) v1(95.73,104.75) v1(95.68,102.67) v1(95.68,100.61) v1(96.34,116.84) v1(96.34,115.34) v1(96.87,70.32) v1(98.32,116.84) v1(98.4,115.34) v1(99.52,110.21) v1(100.13,1.98) v1(100.36,116.84) v1(100.36,115.34) v1(101.5,108.33) v1(102.36,116.84) v1(104.27,116.84) v1(104.37,115.34) v1(106.15,1.98) v1(106.35,116.84) v1(108.28,115.34) v1(112.14,1.91) v1(112.42,115.34) v1(114.35,115.34) v1(115.76,86.51) v1(116.36,115.34) v1(118.16,1.93) v1(118.41,115.34) v1(120.37,115.34) v1(124.13,1.91) v1(124.38,115.34) v1(126.39,115.34) v1(127.51,44.7) v1(128.3,115.34) v1(129.79,111.2) v1(130.07,1.85) v1(130.38,115.34) v1(132.31,115.34) v1(134.39,115.34) v1(136.14,1.98) v1(136.3,115.34) v1(138.3,115.34) v1(140.33,115.34) v1(142.11,1.96) v1(142.32,115.34) v1(144.27,115.34) v1(144.7,39.93) v1(144.7,37.52) v1(144.86,61.04) v1(144.86,59.92) v1(144.86,57.51) v1(144.83,56.31) v1(144.83,55.07) v1(144.78,41) v1(144.78,38.76) v1(144.78,36.35) v1(144.88,58.72) v1(145.85,38.07) v1(145.97,58.06) v1(146.33,115.34) v1(146.86,37.54) v1(146.86,36.37) v1(146.96,56.34) v1(146.96,55.09) v1(146.94,41) v1(146.96,39.93) v1(146.94,38.74) v1(146.94,35.15) v1(146.99,61.06) v1(146.99,59.94) v1(147.02,58.75) v1(146.99,57.53) v1(147.68,23.75) v1(147.9,38) v1(148.13,58.04) v1(148.18,1.96) v1(148.34,115.34) v1(148.97,39.95) v1(148.92,36.32) v1(149.05,61.09) v1(149.05,59.97) v1(149.07,58.78) v1(149.05,57.56) v1(149.02,56.36) v1(149.02,55.12) v1(149.05,38.68) v1(149,37.54) v1(149,35.13) v1(150.01,38.07) v1(150.11,58.12) v1(150.27,115.34) v1(151.16,56.34) v1(151.16,55.09) v1(151.13,41.07) v1(151.13,39.95) v1(151.08,38.76) v1(151.08,37.41) v1(151.13,36.35) v1(151.08,35.18) v1(151.18,61.06) v1(151.18,59.94) v1(151.21,58.75) v1(151.18,57.53) v1(152.17,38.1) v1(152.2,58.04) v1(152.37,23.77) v1(153.26,36.32) v1(153.26,35.08) v1(153.37,61.04) v1(153.37,59.92) v1(153.37,57.51) v1(153.34,56.31) v1(153.34,55.07) v1(153.29,39.93) v1(153.31,38.74) v1(153.29,37.52) v1(153.39,58.72) v1(154.2,1.91) v1(156.44,70.76) v1(157.15,80.37) v1(157.25,95.48) v1(157.23,92.53) v1(157.28,98.5) v1(161.77,39.45) v1(161.72,36.96) v1(161.75,29.41) v1(161.75,21.89) v1(161.7,19.41) v1(161.77,16.87) v1(161.72,14.4) v1(161.72,11.86) v1(161.7,9.37) v1(161.87,106.86) v1(161.87,96.82) v1(161.85,89.41) v1(161.87,84.4) v1(161.87,81.86) v1(161.85,61.85) v1(161.87,59.33) v1(161.85,56.87) v1(161.8,54.38) v1(161.82,49.38) v1(161.82,46.84) v1(161.8,44.35) v1(161.8,41.91) v1(161.8,34.42) v1(161.93,109.35) v1(161.95,104.32) v1(161.9,101.85) v1(161.93,94.36) v1(161.9,91.9) v1(161.93,86.87) v1(161.93,76.84) v1(161.93,69.34) v1(163.27,41.96) v1(163.27,39.45) v1(163.27,36.98) v1(163.27,34.44) v1(163.27,31.98) v1(163.27,29.44) v1(163.27,26.92) v1(163.25,24.41) v1(163.25,21.89) v1(163.25,19.43) v1(163.25,16.89) v1(163.25,14.43) v1(163.25,11.89) v1(163.25,9.37) v1(163.35,59.39) v1(163.35,56.87) v1(163.35,54.41) v1(163.35,51.87) v1(163.35,49.4) v1(163.35,46.86) v1(163.35,44.35) v1(163.42,109.35) v1(163.42,106.88) v1(163.42,104.34) v1(163.42,101.88) v1(163.42,99.34) v1(163.42,96.82) v1(163.4,94.41) v1(163.4,91.9) v1(163.4,89.43) v1(163.4,86.89) v1(163.4,84.43) v1(163.4,81.89) v1(163.4,79.38) v1(163.4,76.89) v1(163.4,74.37) v1(163.4,71.91) v1(163.4,69.37) v1(163.4,66.9) v1(163.4,64.36) v1(163.4,61.85)
